# KiCad board nvme Carrier all M2.kicad_pcb (continued)
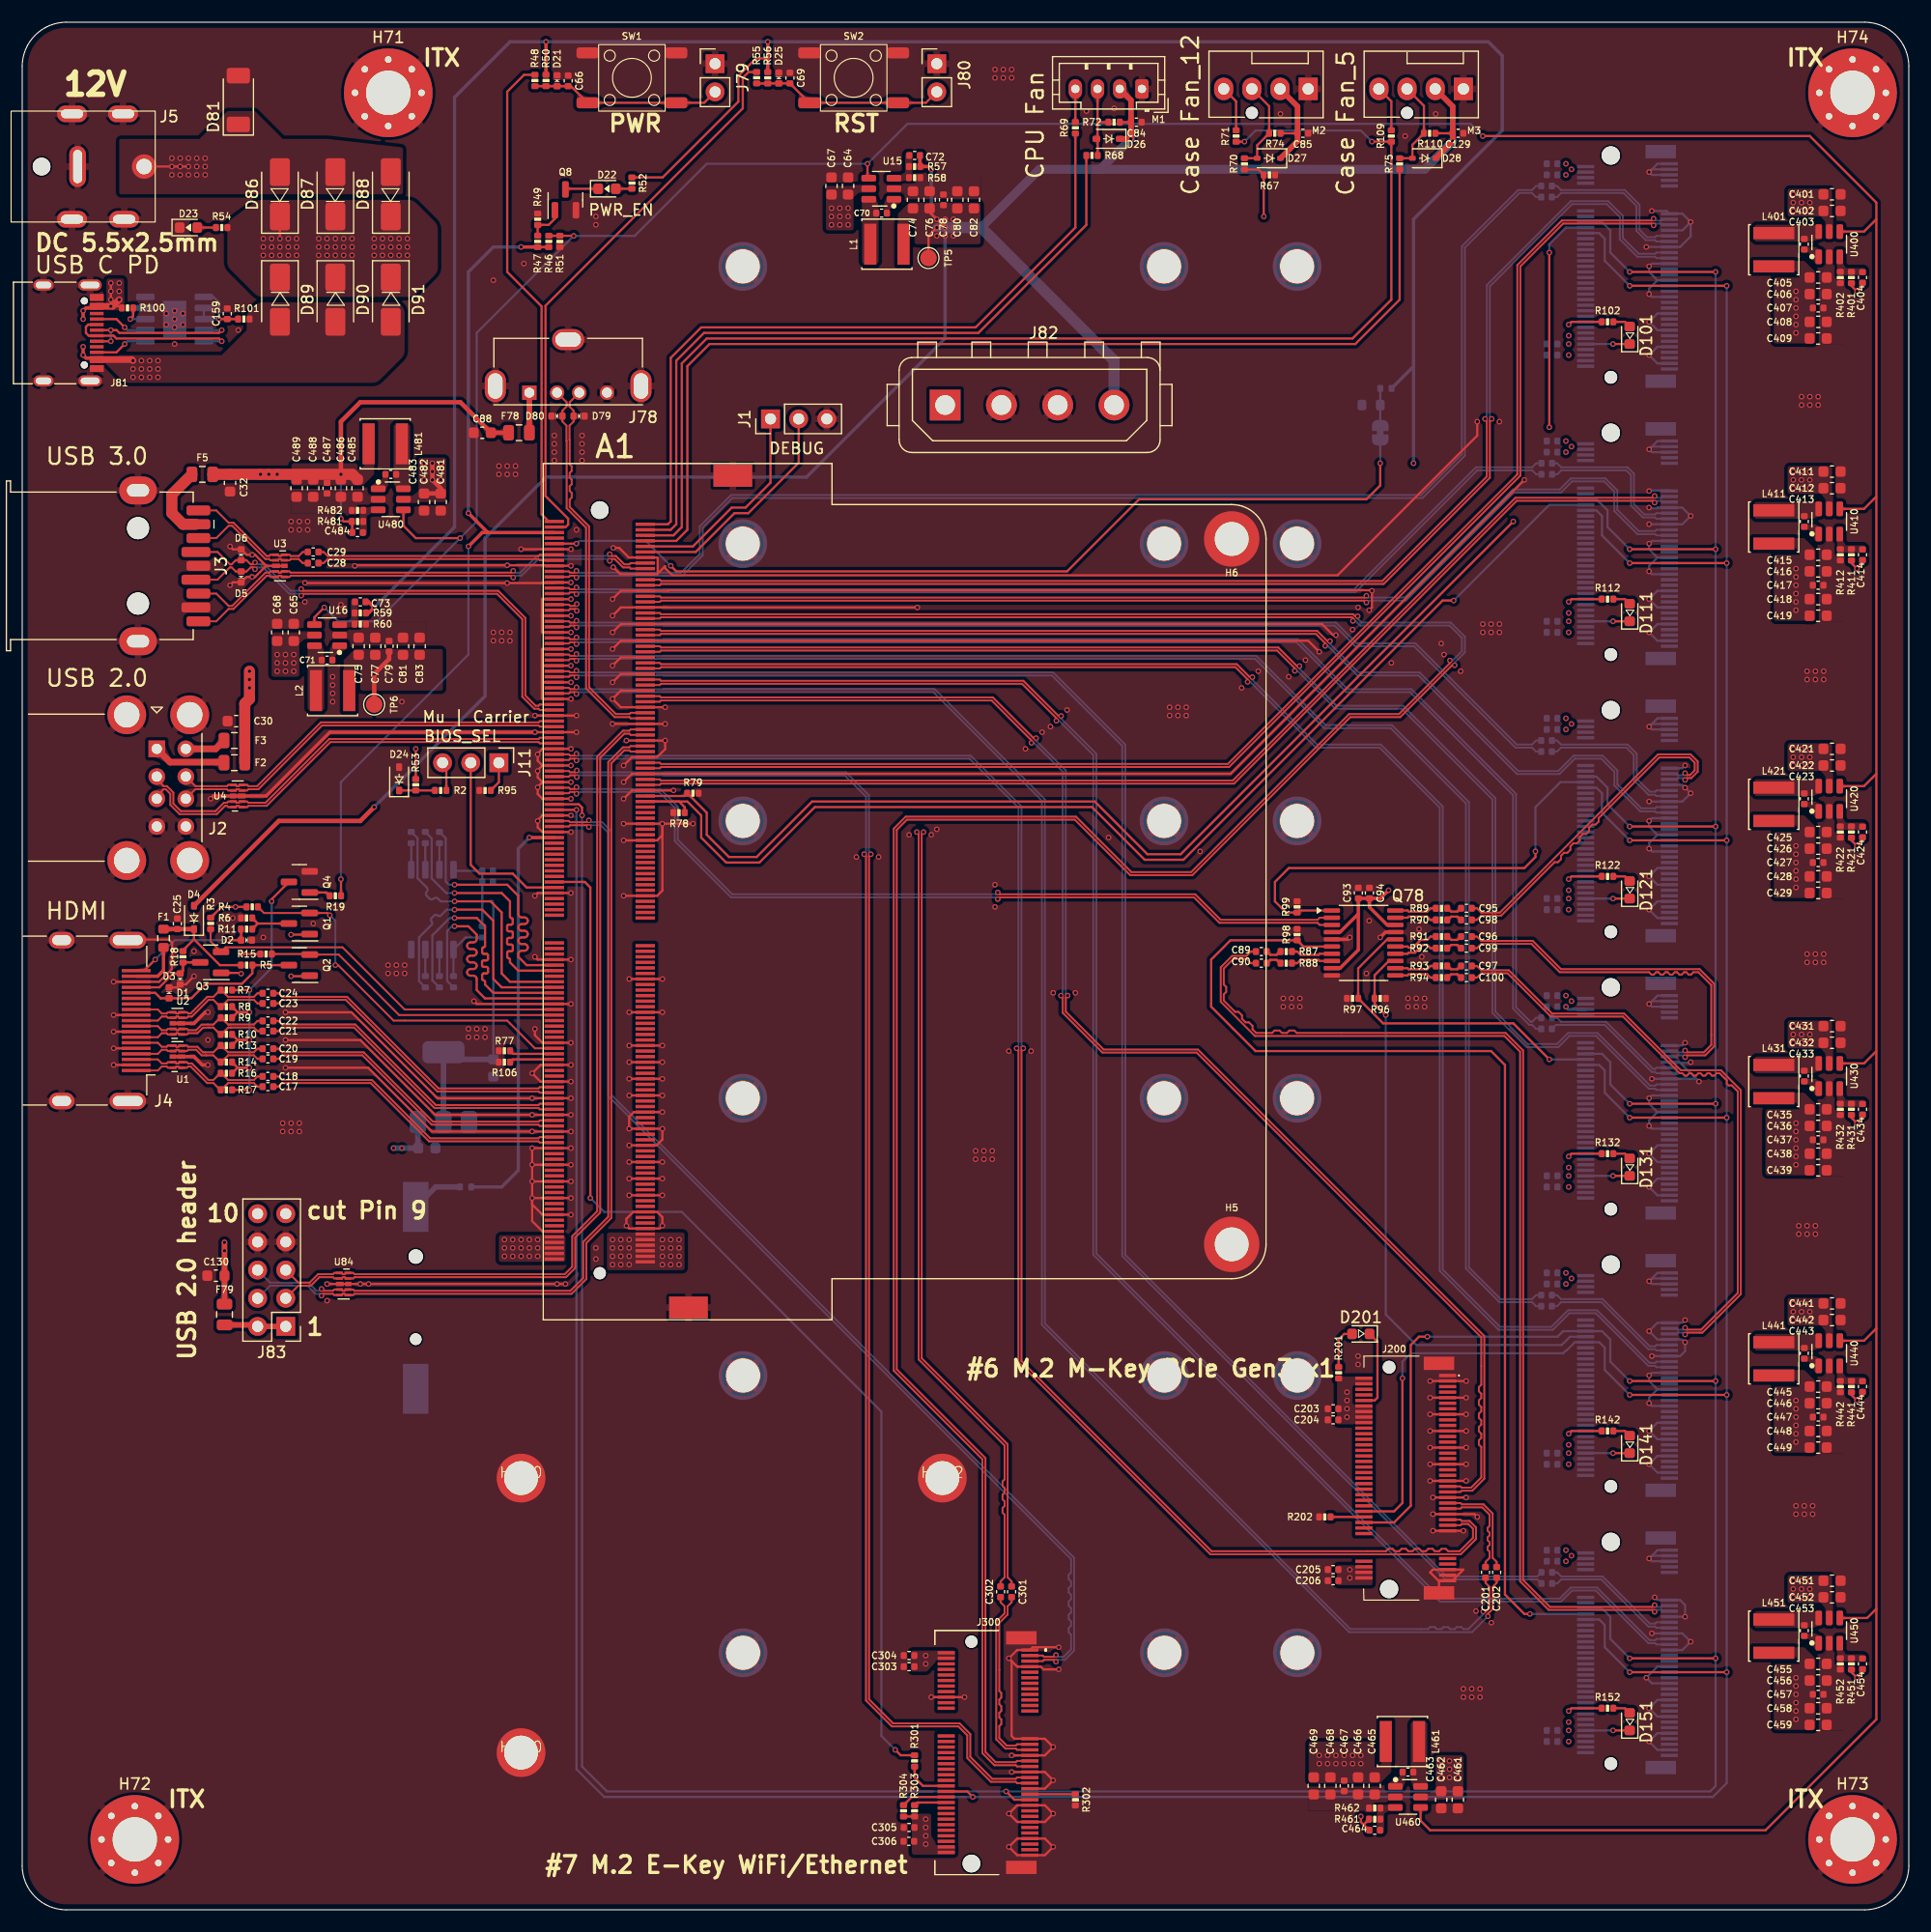
[diagram p0: board, top side]
## Routing (per net, layer and track width the routed paths; a pad name or vN(x,y) marks a point on that pad's centre or on a via; arc(x,y) is an arc through that point) (continued)
  In2.PWR w1: M2.2 113.46,166.47 111.5,168.43 71.25,168.43 60,157.18
  In2.PWR w3: J82.1 83.25,139.93 90,146.68 90,156.18 86.75,159.43 62.25,159.43 60,157.18 v1(14.25,157.18)
  vias: v1(13.5,157.93) v1(13.5,157.18) v1(13.5,156.43) v1(14.25,157.93) v1(14.25,156.43) v1(15,157.93) v1(15,156.43) v1(15.75,157.93) v1(15.75,157.18) v1(15.75,156.43) v1(16.5,157.93) v1(16.5,157.18) v1(16.5,156.43)
+15V: length 14.3
  Top w0.2: v1(8,144.58) v1(8,145.18) v1(8,146.68) ; v1(8,144.58) J81.A4 ; v1(8,144.58) 8.84,144.58 R100.2
  Top w0.3: v1(5.5,140.93) v1(5.5,140.18) 5.77,139.91 6.59,139.91 J81.A9 ; v1(5.5,143.43) v1(5.5,144.18) 5.75,144.43 6.57,144.43 J81.A4
  Top w0.6: J81.A4 8.15,144.58 v1(8.75,145.18) ; J81.A9 9.9,139.78 v1(10,139.68)
  vias: v1(8,145.93) v1(8.75,146.68) v1(8.75,145.93) v1(10,138.93) v1(10,138.18) v1(10.75,139.68) v1(10.75,138.93) v1(10.75,138.18) v1(11.5,139.68) v1(11.5,138.93) v1(11.5,138.18) v1(12.25,139.68) v1(12.25,138.93) v1(12.25,138.18)
GND: length 1150.3
  Top w0.2: v1(8.25,76.18) J4.2 ; J300.51 92.25,10.93 v1(93,11.68) 92.25,12.43 J300.45 v1(89.25,12.43) ; v1(54.75,73.43) A1.200 v1(57.75,73.43) ; 46.93,110.68 A1.59 v1(49.5,110.68) ; 46.93,110.68 46.87,110.73 46.87,112.13 46.93,112.18 ; 46.93,110.68 46.87,110.63 46.87,109.23 46.93,109.18 A1.65 v1(49.5,109.18) ; v1(8.25,79.18) J4.8 ; v1(58,106.93) A1.74 v1(53.25,106.93) ; v1(50,107.68) A1.71 v1(46.25,107.68) ; v1(57.75,77.93) A1.182 v1(54.75,77.93) ; A1.50 54,112.93 v1(53.25,112.18) ; v1(46,64.18) A1.237 v1(49.5,64.18) ; v1(46,64.18) 46,62.1 46.93,61.18 A1.249 ; v1(46,64.18) v1(46,68.68) A1.219 v1(49.5,68.68) ; v1(46,64.18) 46,63.6 46.93,62.68 A1.243 v1(49.5,62.68) ; v1(54.25,100.18) 55,100.93 56.25,100.93 A1.98 v1(58.75,100.93) ; v1(130.25,44.68) J200.15 v1(127,44.68) ; v1(57.75,67.43) A1.224 v1(54.75,67.43) ; v1(89,22.68) 89.25,22.43 89.25,15.68 89.5,15.43 J300.33 92.25,15.43 v1(93,14.68) 92.25,13.93 J300.39 v1(89.25,13.93) ; v1(89,22.68) 89.75,21.93 J300.7 91.88,21.93 92.12,21.68 v1(93.5,21.68) ; v1(89,22.68) 89.75,23.43 J300.1 91.15,23.68 v1(93.5,23.68) ; v1(54.75,64.43) A1.236 v1(57.75,64.43) ; 22.01,121.18 U3.3 U3.8 ; 22.01,121.18 21.01,120.18 v1(20.75,120.18) 20.23,120.18 D5.1 19.01,119.69 v1(18.75,119.43) ; 22.01,121.18 21.01,122.18 v1(20.75,122.18) 20.23,122.18 D6.1 19.01,122.66 v1(18.75,122.93) ; v1(46,65.68) A1.231 v1(49.5,65.68) ; v1(54.25,91.43) A1.136 57.27,91.43 57.75,91.9 v1(57.75,97.93) ; v1(130.25,41.68) J200.27 v1(127,41.68) ; A1.32 54,117.43 v1(53.25,116.68) ; A1.32 v1(80.75,117.43) ; A1.32 58.25,117.43 ; v1(49.5,118.18) A1.29 46.93,118.18 46.87,118.13 46.87,116.73 46.93,116.68 ; v1(57.75,97.93) A1.110 v1(54.25,97.93) ; v1(57.75,97.93) v1(60.5,97.93) ; v1(57.75,97.93) 57.75,96.9 57.27,96.43 A1.116 v1(54.25,96.43) ; v1(53.25,110.68) 54,111.43 A1.56 ; v1(49.5,104.68) A1.83 46.93,104.68 46.5,104.25 46.5,103.6 46.93,103.18 ; 46.93,112.18 A1.53 v1(49.5,112.18) ; 46.93,112.18 46.87,112.23 46.87,113.63 46.93,113.68 A1.47 v1(49.5,113.68) ; 46.93,101.68 46.5,101.25 46.5,100.6 46.93,100.18 A1.101 v1(49.5,100.18) ; 46.93,101.68 46.5,102.1 46.5,102.75 46.93,103.18 ; 46.93,101.68 A1.95 v1(49.5,101.68) ; v1(54.25,101.68) 55,102.43 A1.92 109,102.43 v1(135.5,128.93) ; v1(53.25,115.18) 54,115.93 A1.38 117.25,115.93 118.25,114.93 ; v1(57.75,65.93) A1.230 v1(54.75,65.93) ; v1(57.75,76.43) A1.188 v1(54.75,76.43) ; v1(49.5,121.18) A1.17 47.95,121.23 v1(43.75,121.23) 30.05,121.23 v1(30,121.18) ; v1(49.5,70.18) A1.213 v1(46,70.18) 36.96,70.18 31.21,75.93 v1(23.75,75.93) ; v1(130,34.18) J200.57 v1(127.25,34.18) ; v1(57.75,71.93) A1.206 55.18,71.93 54.75,71.5 v1(54.75,70.43) A1.212 v1(57.75,70.43) 57.75,69.45 57.23,68.93 A1.218 v1(54.75,68.93) ; v1(127,38.68) J200.39 v1(130.25,38.68) ; v1(127.25,35.68) J200.51 131,35.68 v1(131.25,35.43) ; v1(127,47.68) J200.3 v1(130.25,47.68) ; v1(54.5,105.43) A1.80 v1(58,105.43) 58,104.65 57.27,103.93 A1.86 55,103.93 v1(54.25,103.18) ; J4.SH 9.57,87.48 13.24,87.48 13.52,87.19 13.52,85.95 13.5,85.93 v1(13.5,85.43) 13.5,84.82 12.35,83.68 J4.17 v1(8.25,83.68) ; v1(127,46.18) J200.9 v1(130.25,46.18) ; 116.96,113.46 116,114.43 A1.44 54,114.43 v1(53.25,113.68) ; v1(8.25,80.68) J4.11 ; 57.27,120.43 A1.20 53.95,120.43 v1(53.32,121.06) ; 57.27,120.43 58,121.15 58,120.97 58.64,120.33 118.65,120.33 131.25,132.93 v1(131.25,134.18) ; 57.27,120.43 57.32,120.48 57.32,121.88 57.27,121.93 A1.14 54.72,121.93 53.85,122.79 v1(53.32,122.79) ; v1(27.5,56.43) v1(31.25,56.43) v1(49,56.43) ; 46.93,116.68 46.87,116.63 46.87,115.23 46.93,115.18 A1.41 v1(49.5,115.18) ; 46.93,116.68 A1.35 v1(49.5,116.68) ; v1(49.5,74.68) A1.195 46.75,74.68 v1(46,75.43) 46.75,76.18 A1.189 v1(49.5,76.18) ; 46.93,103.18 A1.89 v1(49.5,103.18) ; v1(49.5,119.68) A1.23 47.95,119.62 v1(43.75,119.62) 25.53,119.62 v1(25.51,119.64) ; v1(57.75,80.93) A1.170 v1(54.75,80.93) ; v1(54.75,74.93) A1.194 v1(57.75,74.93) ; v1(85,19.18) J300.18 v1(82,19.18) ; J200.MP2 127.8,29.63 127,30.43 127.25,30.68 J200.71 130,30.68 129,29.68 J200.75 ; v1(46,67.18) A1.225 v1(49.5,67.18) ; v1(49.5,97.18) A1.113 46.93,97.18 46.5,97.6 46.5,98.25 46.93,98.68 A1.107 v1(49.5,98.68) ; v1(57.75,83.93) A1.158 v1(54.75,83.93) ; v1(46.25,79.43) 46.25,78.85 46.93,78.18 A1.181 v1(49.5,78.18) ; v1(46.25,106.18) A1.77 v1(50,106.18) ; v1(130.25,40.18) J200.33 v1(127,40.18) ; A1.62 54,109.93 v1(53.25,109.18) 54,108.43 A1.68 v1(58,108.43) ; v1(23.75,80.93) 29.71,80.93 37.46,73.18 v1(46,73.18) A1.201 v1(49.5,73.18) ; v1(49.5,85.68) A1.151 46.5,85.68 v1(46.25,85.93) ; v1(127,43.18) J200.21 v1(130.25,43.18) ; v1(49.5,122.68) A1.11 v1(45,122.68) ; v1(130.25,37.18) v1(127.25,37.18) ; D1.1 13.97,83.16 D3.1 14.76,83.44 v1(15.5,84.18) ; v1(49.5,91.68) A1.135 46.5,91.68 v1(46.25,91.43) ; v1(40.75,81.93) 41,81.68 A1.167 v1(49.5,81.68) ; v1(53.25,118.18) 54,118.93 A1.26 58.25,118.93 58.3,118.98 121.7,118.98 v1(121.75,118.93) 121.75,117.43 v1(121.5,117.18) ; v1(8.25,77.68) J4.5 ; v1(23.75,78.43) 30.5,78.43 37.25,71.68 v1(46,71.68) A1.207 v1(49.5,71.68) ; J300.63 89.75,7.93 v1(89,8.68) 89.75,9.43 J300.57 92.25,9.43 v1(93,8.68) 92.25,7.93 J300.63 ; v1(54.5,61.68) 54.75,61.43 A1.248 57.5,61.43 v1(57.75,61.68) 57.75,62.45 57.27,62.93 A1.242 55.12,62.93 54.5,62.3 v1(54.5,61.68) ; 89.75,4.93 v1(89,5.68) 89.75,6.43 J300.69 92.25,6.43 v1(93,5.68) 92.25,4.93 J300.75 89.75,4.93
  Top w0.3: Q78.17 122.97,88.15 v1(122.5,87.68) ; U2.8 15.5,79.93 16.5,80.93 v1(16.75,80.93) ; Q78.5 119.57,87.5 v1(119.75,87.68) ; v1(17,100.18) 17.25,100.43 U4.3 22.01,100.43 27.76,106.18 v1(46.25,106.18) ; U1.8 15.5,76.93 16.25,76.18 v1(16.75,76.18)
  Bottom w0.2: J100.9 147.5,140.93 v1(146.75,140.18) 147.5,139.43 J100.3 ; J140.9 147.5,40.93 v1(146.75,40.18) 147.5,39.43 J140.3 ; v1(146.75,99.93) J120.45 149.75,99.93 v1(150.5,100.68) 149.75,101.43 J120.51 ; 147.5,96.93 J120.33 147.5,96.93 ; 147.5,96.93 146.75,96.18 v1(146.75,95.68) 147,95.43 J120.27 ; 147.5,96.93 146.75,97.68 v1(146.75,98.18) 147,98.43 J120.39 ; J110.21 147.5,118.93 v1(146.75,118.18) 147.5,117.43 J110.15 ; v1(147,74.93) J130.45 151,74.93 v1(151.25,74.68) 149.5,76.43 J130.51 148.63,76.37 150.45,76.37 v1(150.5,76.43) ; v1(150.5,152.18) 150.5,150.88 149.55,149.93 J100.45 v1(146.5,149.93) ; v1(150.5,152.18) 149.75,152.93 J100.57 148.32,153.18 v1(147,153.18) ; v1(150.5,152.18) 149.75,151.43 J100.51 ; 147.5,46.93 146.75,46.18 v1(146.75,45.68) 147,45.43 J140.27 ; 147.5,46.93 146.75,47.68 v1(146.75,48.18) 147,48.43 J140.39 ; 147.5,46.93 J140.33 147.5,46.93 ; v1(146.75,81.68) 147,81.43 J130.71 ; v1(146.75,81.68) 147.5,82.43 J130.75 ; v1(146.75,81.68) 147,81.93 J130.73 ; J140.15 147.5,42.43 v1(146.75,43.18) 147.5,43.93 J140.21 ; v1(146.75,126.43) 146.8,126.37 147.46,126.37 147.51,126.43 J110.51 149.75,126.43 v1(150.5,125.68) 149.75,124.93 J110.45 v1(146.75,124.93) ; 147.5,146.93 146.75,147.68 v1(146.75,148.18) 147,148.43 J100.39 ; 147.5,146.93 J100.33 147.5,146.93 ; 147.5,146.93 146.75,146.18 v1(146.75,145.68) 147,145.43 J100.27 ; J150.21 147.5,18.93 v1(146.75,18.18) 147.5,17.43 J150.15 ; J140.75 147.5,57.43 v1(146.75,56.68) ; 147.5,71.93 J130.33 147.5,71.93 ; 147.5,71.93 146.75,72.68 v1(146.75,73.18) 147,73.43 J130.39 ; 147.5,71.93 146.75,71.18 v1(146.75,70.68) 147,70.43 J130.27 ; v1(146.75,131.68) 147.5,132.43 J110.75 ; v1(146.75,131.68) 147,131.93 J110.73 ; v1(146.75,131.68) 147,131.43 J110.71 ; J130.3 147.5,64.43 v1(146.75,65.18) 147.5,65.93 J130.9 ; v1(146.75,106.68) 147.5,107.43 J120.75 ; v1(146.75,106.68) 147,106.43 J120.71 ; v1(146.75,106.68) 147,106.93 J120.73 ; 147.5,121.93 J110.33 147.5,121.93 ; 147.5,121.93 146.75,122.68 v1(146.75,123.18) 147,123.43 J110.39 ; 147.5,121.93 146.75,121.18 v1(146.75,120.68) 147,120.43 J110.27 ; J150.73 147,31.93 v1(146.75,31.68) ; J120.3 147.5,89.43 v1(146.75,90.18) 147.5,90.93 J120.9 ; J130.15 147.5,67.43 v1(146.75,68.18) 147.5,68.93 J130.21 ; J150.75 147.5,32.43 v1(146.75,31.68) ; J150.9 147.5,15.93 v1(146.75,15.18) 147.5,14.43 J150.3 ; v1(146.75,56.68) 147,56.43 J140.71 ; v1(146.75,56.68) 147,56.93 J140.73 ; v1(146.75,156.68) 147,156.43 J100.71 ; v1(146.75,156.68) 147,156.93 J100.73 ; v1(146.75,156.68) 147.5,157.43 J100.75 ; J100.21 147.5,143.93 v1(146.75,143.18) 147.5,142.43 J100.15 ; v1(146.75,31.68) 147,31.43 J150.71 ; v1(147,49.93) J140.45 149.55,49.93 150,50.38 v1(150,51.18) 149.75,51.43 J140.51 147.5,51.43 v1(146.75,52.18) 147.5,52.93 J140.57 149.75,52.93 v1(150,53.18) ; J120.57 149.75,102.93 v1(150,103.18) ; J110.57 148.52,127.98 146.8,127.98 v1(146.75,127.93) ; J150.27 147,20.43 v1(146.5,20.93) 147.5,21.93 J150.33 ; v1(147,24.93) J150.45 149.75,24.93 v1(150.5,24.18) 149.75,23.43 J150.39 ; J120.15 147.5,92.43 v1(146.75,93.18) 147.5,93.93 J120.21 ; v1(147.25,28.18) 147.5,27.93 J150.57 149.55,27.93 150,27.48 v1(150,26.43) J150.51 ; J130.57 149.75,77.93 v1(150,78.18) ; J110.3 147.5,114.43 v1(146.75,115.18) 147.5,115.93 J110.9
  vias: v1(13,143.93) v1(13,142.93) v1(13.75,144.18) v1(13.75,143.43) v1(13.75,142.68) v1(13.75,141.18) v1(14.5,143.93) v1(14.5,142.93) v1(15.5,86.43) v1(16.75,78.43) v1(19,89.43) v1(19.5,142.43) v1(21.75,87.68) v1(23.5,70.93) v1(23.5,70.18) v1(24.25,125.18) v1(24.25,124.43) v1(24.25,70.93) v1(24.25,70.18) v1(25,125.18) v1(25,124.43) v1(25,70.93) v1(25,70.18) v1(25.5,117.93) v1(25.75,125.18) v1(25.75,124.43) v1(26.25,88.93) v1(27.5,54.93) v1(28,111.18) v1(28,110.43) v1(28,109.68) v1(28,108.93) v1(28.75,117.68) v1(30.5,56.43) v1(33,85.18) v1(33,84.43) v1(33.75,85.18) v1(33.75,84.43) v1(34.25,108.93) v1(34.5,85.18) v1(34.5,84.43) v1(40.25,79.43) v1(40.25,78.68) v1(41,79.43) v1(41,78.68) v1(41.75,79.43) v1(41.75,78.68) v1(42.5,146.93) v1(42.5,115.18) v1(42.5,114.43) v1(43,130.18) v1(43,129.43) v1(43.25,115.18) v1(43.25,114.43) v1(43.75,130.18) v1(43.75,129.43) v1(44,115.18) v1(44,114.43) v1(44.5,130.18) v1(44.5,129.43) v1(45.25,148.43) v1(46.5,104.18) v1(46.5,102.68) v1(46.5,101.21) v1(46.5,98.18) v1(48,132.93) v1(48,132.18) v1(48,131.43) v1(48,130.68) v1(48.25,56.43) v1(50,124.43) v1(50.5,132.93) v1(50.5,132.18) v1(50.5,131.43) v1(50.5,130.68) v1(51.75,152.68) v1(51.75,151.93) v1(51.75,59.68) v1(51.75,58.68) v1(75.25,94.93) v1(77.25,94.93) v1(80,96.93) v1(82,96.93) v1(82.5,97.43) v1(86,68.43) v1(86,67.68) v1(86.75,68.43) v1(86.75,67.68) v1(87.5,68.43) v1(87.5,67.68) v1(87.75,165.93) v1(87.75,165.18) v1(87.75,92.43) v1(87.75,90.43) v1(88.5,165.93) v1(88.5,165.18) v1(89,77.43) v1(89.25,165.93) v1(89.25,165.18) v1(90.5,104.68) v1(91,77.43) v1(92,106.18) v1(92.75,106.68) v1(93,82.68) v1(94.25,108.18) v1(95,82.68) v1(96,162.18) v1(98,96.68) v1(98.5,162.43) v1(103.5,108.43) v1(103.5,107.68) v1(104.25,108.43) v1(104.25,107.68) v1(105,108.43) v1(105,107.68) v1(106.25,95.43) v1(110,110.18) v1(111.5,111.68) v1(113.5,161.93) v1(113.75,82.18) v1(113.75,81.43) v1(114.25,111.18) v1(114.5,82.18) v1(114.5,81.43) v1(115.25,82.18) v1(115.25,81.43) v1(115.75,112.68) v1(117,113.43) v1(118.5,114.93) v1(120,115.43) v1(120.5,117.43) v1(120.5,49.93) v1(120.5,49.18) v1(121.25,84.43) v1(121.5,89.18) v1(123.5,112.43) v1(124.75,159.93) v1(125,82.18) v1(125,81.43) v1(125.75,82.18) v1(125.75,81.43) v1(126,88.43) v1(126.25,85.93) v1(126.5,82.18) v1(126.5,81.43) v1(127.5,161.93) v1(128,114.18) v1(128.25,113.18) v1(129.75,111.68) v1(130,19.93) v1(130,19.18) v1(130.75,19.93) v1(130.75,19.18) v1(131.14,26.93) v1(131.5,19.93) v1(131.5,19.18) v1(131.75,115.93) v1(131.75,115.18) v1(132.5,115.93) v1(132.5,115.18) v1(132.52,25.89) v1(133.25,134.18) v1(133.25,115.93) v1(133.25,115.18) v1(150,101.18) v1(160,36.43) v1(160,35.68) v1(160.25,61.68) v1(160.25,60.93) v1(160.5,136.43) v1(160.5,135.68) v1(160.75,36.43) v1(160.75,35.68) v1(161,111.68) v1(161,110.93) v1(161,86.18) v1(161,85.43) v1(161,61.68) v1(161,60.93) v1(161.25,136.43) v1(161.25,135.68) v1(161.5,36.43) v1(161.5,35.68) v1(161.75,111.68) v1(161.75,110.93) v1(161.75,86.18) v1(161.75,85.43) v1(161.75,61.68) v1(161.75,60.93) v1(162,136.43) v1(162,135.68) v1(162.5,111.68) v1(162.5,110.93) v1(162.5,86.18) v1(162.5,85.43)
+BATT: length 37.5
  Top w0.3: v1(45.75,96.68) A1.115
  Bottom w0.3: R1.1 43.25,65.18 44.75,66.68 44.75,95.68 v1(45.75,96.68)
/BIOS/SPI-CS: length 24.4
  Top w0.2: A1.165 41.75,82.18 41,82.93 41,83.93 arc(40.91,84.14) 40.7,84.23 40.43,84.23 arc(40.22,84.31) 40.13,84.53 arc(40.22,84.74) 40.43,84.83 40.7,84.83 arc(40.91,84.91) 41,85.13 arc(40.91,85.34) 40.7,85.43 40.43,85.43 arc(40.22,85.51) 40.13,85.73 arc(40.22,85.94) 40.43,86.03 40.7,86.03 arc(40.91,86.11) 41,86.33 arc(40.91,86.54) 40.7,86.63 40.43,86.63 arc(40.22,86.71) 40.13,86.93 arc(40.22,87.14) 40.43,87.23 40.7,87.23 arc(40.91,87.31) 41,87.53 41,87.93 40.25,88.68 v1(39,88.68)
  Bottom w0.2: v1(39,88.68) 38.75,88.68 38.34,88.26 38.34,83.74 R81.1
/BIOS/SPI-IO0: length 24.4
  Top w0.2: v1(39,90.93) 42.25,90.93 43.25,89.93 43.25,84.43 44,83.68 A1.159
  Bottom w0.2: R83.1 35.66,96.62 35.66,93.01 36.5,92.18 arc(36.58,91.99) 36.5,91.8 arc(36.42,91.61) 36.5,91.42 36.74,91.18 arc(36.93,91.1) 37.12,91.18 arc(37.31,91.25) 37.5,91.18 37.75,90.93 v1(39,90.93)
/BIOS/SPI-IO1: length 24.4
  Top w0.2: v1(39,89.43) 41,89.43 41.75,88.68 41.75,86.92 arc(41.71,86.82) 41.62,86.79 arc(41.53,86.75) 41.49,86.66 41.49,86.33 arc(41.53,86.23) 41.62,86.2 41.88,86.2 arc(41.98,86.16) 42.02,86.06 42.02,85.74 arc(41.98,85.64) 41.88,85.61 41.62,85.61 arc(41.52,85.57) 41.48,85.47 41.48,85.15 arc(41.52,85.05) 41.62,85.02 41.88,85.02 arc(41.98,84.98) 42.02,84.88 42.02,84.56 arc(41.98,84.46) 41.88,84.43 41.62,84.43 arc(41.53,84.39) 41.49,84.3 41.49,83.93 arc(41.53,83.84) 41.62,83.81 arc(41.71,83.77) 41.75,83.68 41.75,83.43 42.5,82.68 A1.163
  Bottom w0.2: v1(39,89.43) 38.56,89.43 37,87.87 37,83.8 R84.1
/BIOS/SPI-IO2: length 24.4
  Top w0.2: A1.161 43.25,83.18 42.5,83.93 42.5,89.18 41.5,90.18 v1(39,90.18)
  Bottom w0.2: v1(39,90.18) 38.3,90.18 37.77,89.65 arc(37.62,89.59) 37.47,89.65 arc(37.32,89.71) 37.17,89.65 36.93,89.41 arc(36.86,89.26) 36.93,89.11 arc(36.99,88.96) 36.93,88.8 35.79,87.67 35.79,83.74 R85.1
/BIOS/SPI-IO3: length 24.4
  Top w0.2: v1(39,92.43) 43.75,92.43 44.75,91.43 44.75,89.78 arc(44.84,89.56) 45.05,89.48 45.31,89.48 arc(45.52,89.39) 45.61,89.18 arc(45.52,88.96) 45.31,88.88 45.05,88.88 arc(44.84,88.79) 44.75,88.58 arc(44.84,88.36) 45.05,88.28 45.31,88.28 arc(45.52,88.19) 45.61,87.98 arc(45.52,87.76) 45.31,87.68 45.05,87.68 arc(44.84,87.59) 44.75,87.38 arc(44.84,87.16) 45.05,87.08 45.31,87.08 arc(45.52,86.99) 45.61,86.78 arc(45.52,86.56) 45.31,86.48 45.05,86.48 arc(44.84,86.39) 44.75,86.18 44.75,85.93 45.5,85.18 A1.153
  Bottom w0.2: v1(39,92.43) 38.5,92.43 38.2,92.72 38.2,96.62 R86.1
/BIOS/SPI_CLK: length 24.4
  Top w0.2: v1(39,91.68) 43.25,91.68 44,90.93 44,89.55 arc(44.04,89.46) 44.12,89.43 arc(44.21,89.39) 44.25,89.3 44.25,88.95 arc(44.21,88.86) 44.12,88.83 43.87,88.83 arc(43.78,88.79) 43.74,88.7 43.74,88.35 arc(43.78,88.26) 43.87,88.23 44.13,88.23 arc(44.22,88.19) 44.26,88.1 44.26,87.75 arc(44.22,87.66) 44.13,87.63 43.87,87.63 arc(43.78,87.59) 43.74,87.5 43.74,87.15 arc(43.78,87.06) 43.87,87.03 44.13,87.03 arc(44.22,86.99) 44.26,86.9 44.26,86.55 arc(44.22,86.46) 44.13,86.43 43.88,86.43 arc(43.79,86.39) 43.75,86.3 43.75,85.92 arc(43.79,85.84) 43.88,85.8 arc(43.96,85.76) 44,85.68 44,85.43 44.75,84.68 A1.155
  Bottom w0.2: v1(39,91.68) 38.25,91.68 36.93,92.99 36.93,96.62 R82.1
/Fan_Temp/FAN_1_PWM: length 67
  Top w0.2: R69.1 95,151.68 86,142.68 61.25,142.68 58.5,139.93 58.5,125.18 58.25,124.93 A1.2
/Fan_Temp/FAN_1_TAC: length 66.1
  Top w0.2: A1.4 58.5,124.43 59,124.93 59,139.68 61.5,142.18 86.25,142.18 95.99,151.92 R68.2
/Fan_Temp/FAN_2_PWM: length 113.8
  Top w0.2: R71.1 110.24,159.42 v1(110.25,159.43) ; A1.6 58.75,123.93 59.5,124.68 59.5,139.43 61.75,141.68 120,141.68 123.5,145.18 R109.1 123.49,159.43 v1(121.75,159.43)
  Bottom w0.2: v1(121.75,159.43) 120.75,160.43 111.25,160.43 v1(110.25,159.43)
/Fan_Temp/FAN_2_TAC: length 97.4
  Top w0.2: R75.1 124.25,145.18 120.25,141.18 62,141.18 60,139.18 60,124.43 59,123.43 A1.8
/Fan_Temp/TEMP: length 83.4
  Top w0.2: v1(122.5,130.43) 122.5,128.43 121.25,127.18 100.75,127.18 94.25,120.68 59,120.68 v1(58.5,121.18) ; A1.9 v1(50,123.18)
  Bottom w0.2: v1(58.5,121.18) 56.25,123.43 50.25,123.43 v1(50,123.18) ; JP2.1 122.5,132.68 v1(122.5,130.43)
/HDMI DP/DDC_SCL: length 15.7
  Top w0.2: Q2.3 R15.2 20.76,84.44 19.83,83.5 16.58,83.5 15.26,82.19 D1.2 12.51,82.19 12.5,82.18 12,82.68 J4.15
/HDMI DP/DDC_SDA: length 7.2
  Top w0.2: J4.16 12.38,83.18 13.61,84.41 D3.2 14.51,84.67 14.51,85.43 Q3.3
/HDMI DP/DDI_B_DDC_SCL: length 27.8
  Top w0.171: R5.2 25.89,86.18 Q2.2 28.55,86.13 34,80.68 A1.171
/HDMI DP/DDI_B_DDC_SDA: length 35
  Top w0.171: A1.169 34.5,81.18 28.89,86.78 18.34,86.78 Q3.2 17,87.31 R3.2
/HDMI DP/DDI_B_HPD: length 34.4
  Top w0.171: v1(28.25,85.18) 28.5,85.18 33.5,80.18 43.75,80.18 46.25,77.68 A1.183 ; v1(27.75,89.68) 27.55,89.88 Q1.2 21.81,89.88 R4.2
  Bottom w0.171: v1(27.75,89.68) 28.25,89.18 v1(28.25,85.18)
/HDMI DP/DDI_B_TX0+: length 27.7
  Top w0.171: A1.217 46.69,69.18 46.57,69.29 36.69,69.29 31.44,74.54 23.44,74.54 23.12,74.22 C17.1
/HDMI DP/DDI_B_TX0-: length 27.7
  Top w0.171: C18.1 23.12,75.14 23.44,74.82 31.55,74.82 36.81,69.56 46.57,69.56 46.69,69.68 A1.215
/HDMI DP/DDI_B_TX1+: length 28.1
  Top w0.171: A1.211 46.69,70.68 46.57,70.79 36.94,70.79 30.69,77.04 23.44,77.04 23.12,76.72 C19.1
/HDMI DP/DDI_B_TX1-: length 28.1
  Top w0.171: C20.1 23.12,77.64 23.44,77.32 30.8,77.32 37.06,71.06 46.57,71.06 46.69,71.18 A1.209
/HDMI DP/DDI_B_TX2+: length 28.5
  Top w0.171: C21.1 23.12,79.23 23.44,79.55 29.93,79.55 37.19,72.29 46.57,72.29 46.69,72.18 A1.205
/HDMI DP/DDI_B_TX2-: length 28.5
  Top w0.171: C22.1 23.12,80.15 23.44,79.82 30.04,79.82 37.31,72.56 46.57,72.56 46.69,72.68 A1.203
/HDMI DP/DDI_B_TX3+: length 29
  Top w0.171: C23.1 23.12,81.72 23.44,82.04 29.19,82.04 37.44,73.79 46.57,73.79 46.69,73.68 A1.199
/HDMI DP/DDI_B_TX3-: length 29
  Top w0.171: C24.1 23.12,82.64 23.44,82.32 29.3,82.32 37.56,74.06 46.57,74.06 46.69,74.18 A1.197
/HDMI DP/HPD: length 11.6
  Top w0.2: R11.2 19.75,88.41 D2.2 v1(18.5,87.43) ; v1(12,85.68) 11,84.68 J4.19
  Bottom w0.2: v1(12,85.68) 13.75,87.43 v1(18.5,87.43)
/HDMI DP/TCP_0_HPD: length 4.1
  Top w0.2: A1.187 44.26,76.68 R106.1
/HDMI DP/TMDS_CK+: length 13
  Top w0.171: J4.10 12.24,80.18 12.6,80.54 13.03,80.54 13.14,80.43 U2.7 13.8,80.43 13.91,80.54 14.09,80.54 14.2,80.43 U2.4 14.86,80.43 14.97,80.54 15.31,80.54 16.81,82.04 17.25,82.04 17.86,81.43 R8.1 17.96,81.43 18.57,82.04 19.89,82.04 19.9,82.04 20.9,82.04 21.22,81.72 C23.2
/HDMI DP/TMDS_CK-: length 13
  Top w0.171: C24.2 21.22,82.64 20.9,82.32 20,82.32 20,82.32 18.57,82.32 17.96,82.93 R7.1 17.86,82.93 17.25,82.32 16.7,82.32 15.19,80.81 14.97,80.81 14.86,80.93 U2.5 14.2,80.93 14.09,80.81 13.91,80.81 13.8,80.93 U2.6 13.14,80.93 13.03,80.81 12.6,80.81 12.24,81.18 J4.12
/HDMI DP/TMDS_D0+: length 12.6
  Top w0.171: J4.7 12.24,78.68 12.6,79.04 13.03,79.04 13.14,78.93 U2.10 13.8,78.93 13.91,79.04 14.09,79.04 14.2,78.93 U2.1 14.86,78.93 14.97,79.04 15.81,79.04 16.31,79.54 16.85,79.54 16.86,79.54 17.25,79.54 17.86,78.93 R10.1 17.96,78.93 18.57,79.54 18.85,79.54 18.86,79.55 20.9,79.55 21.22,79.23 C21.2
/HDMI DP/TMDS_D0-: length 12.6
  Top w0.171: C22.2 21.22,80.15 20.9,79.82 18.76,79.82 18.75,79.82 18.57,79.82 17.96,80.43 R9.1 17.86,80.43 17.25,79.82 16.76,79.82 16.75,79.81 16.19,79.81 15.69,79.31 14.97,79.31 14.86,79.43 U2.2 14.2,79.43 14.09,79.31 13.91,79.31 13.8,79.43 U2.9 13.14,79.43 13.03,79.31 12.6,79.31 12.24,79.68 J4.9
/HDMI DP/TMDS_D1+: length 12.6
  Top w0.171: J4.4 12.24,77.18 12.6,77.54 13.03,77.54 13.14,77.43 U1.7 13.8,77.43 13.91,77.54 14.09,77.54 14.2,77.43 U1.4 14.86,77.43 14.97,77.54 15.69,77.54 16.19,77.04 16.6,77.04 16.61,77.04 17.25,77.04 17.86,76.43 R14.1 17.96,76.43 18.57,77.04 20.9,77.04 21.22,76.72 C19.2
/HDMI DP/TMDS_D1-: length 12.6
  Top w0.171: C20.2 21.22,77.64 20.9,77.32 18.57,77.32 17.96,77.93 R13.1 17.86,77.93 17.25,77.32 16.51,77.32 16.5,77.31 16.31,77.31 15.81,77.81 14.97,77.81 14.86,77.93 U1.5 14.2,77.93 14.09,77.81 13.91,77.81 13.8,77.93 U1.6 13.14,77.93 13.03,77.81 12.6,77.81 12.24,78.18 J4.6
/HDMI DP/TMDS_D2+: length 13
  Top w0.171: C17.2 21.22,74.22 20.9,74.54 18.57,74.54 17.96,73.93 R17.1 17.86,73.93 17.25,74.54 16.69,74.54 15.19,76.04 14.97,76.04 14.86,75.93 U1.1 14.2,75.93 14.09,76.04 13.91,76.04 13.8,75.93 U1.10 13.14,75.93 13.03,76.04 12.6,76.04 12.24,75.68 J4.1
/HDMI DP/TMDS_D2-: length 13
  Top w0.171: C18.2 21.22,75.14 20.9,74.82 18.57,74.82 17.96,75.43 R16.1 17.86,75.43 17.25,74.82 16.8,74.82 15.31,76.31 14.97,76.31 14.86,76.43 U1.2 14.2,76.43 14.09,76.31 13.91,76.31 13.8,76.43 U1.9 13.14,76.43 13.03,76.31 12.6,76.31 12.24,76.68 J4.3
/LattePanda Module/CLKREQ3: length 144.4
  Top w0.2: v1(134.5,125.18) 104.5,95.18 101.5,95.18 96.75,99.93 71.25,99.93 66.25,94.93 63.75,94.93 61.75,96.93 61.75,98.92 R79.1 59.74,100.43 A1.100 ; v1(137.75,149.43) v1(137.75,133.68)
  In1.GND w0.2: v1(137.75,149.43) v1(137.75,133.68) 137.75,128.43 v1(134.5,125.18)
  Bottom w0.2: J100.52 139.25,151.68 137.75,150.18 v1(137.75,149.43)
/LattePanda Module/CLKREQ4: length 109.8
  Top w0.2: R78.1 59.76,99.42 59.25,99.93 A1.102 60,99.93 61.25,98.68 61.25,96.68 63.5,94.43 66.5,94.43 71.5,99.43 96.5,99.43 101.25,94.68 104.75,94.68 128.12,118.05 v1(129.12,118.05)
  Bottom w0.2: J110.52 137.75,126.68 v1(129.12,118.05)
/LattePanda Module/HSIO_0_TX+: length 21.5
  Top w0.171: C29.1 27.2,122.43 27.56,122.06 46.57,122.06 46.69,122.18 A1.13
/LattePanda Module/HSIO_0_TX-: length 21.5
  Top w0.171: C28.1 27.2,121.43 27.56,121.79 46.57,121.79 46.69,121.68 A1.15
/LattePanda Module/HSIO_1_RX+: length 120
  Top w0.171: A1.22 57.51,119.93 57.63,119.81 122.69,119.81 132.11,129.23 132.11,134.26 v1(131.95,134.43)
  Bottom w0.171: v1(131.95,134.43) 132.11,134.59 132.11,146.48 139.69,154.06 143.06,154.06 144.39,152.73 144.39,150.73 145.81,149.31 147.3,149.31 147.41,149.43 J100.43
/LattePanda Module/HSIO_1_RX-: length 120
  Top w0.171: A1.24 57.51,119.43 57.63,119.54 122.81,119.54 132.39,129.12 132.39,134.26 v1(132.55,134.43)
  Bottom w0.171: v1(132.55,134.43) 132.39,134.59 132.39,146.37 139.81,153.79 142.94,153.79 144.11,152.62 144.11,150.62 145.69,149.04 147.3,149.04 147.41,148.93 J100.41
/LattePanda Module/HSIO_1_TX+: length 116.1
  Top w0.171: A1.19 49.31,120.68 49.43,120.56 49.84,120.56 v1(50,120.73)
  Bottom w0.171: C105.1 136.55,155.43 136.19,155.06 134.94,155.06 129.86,149.98 129.86,131.23 126.19,127.56 63.94,127.56 61.11,124.73 61.11,122.23 59.44,120.56 50.16,120.56 v1(50,120.73)
/LattePanda Module/HSIO_1_TX-: length 116.1
  Top w0.171: A1.21 49.31,120.18 49.43,120.29 49.84,120.29 v1(50,120.12)
  Bottom w0.171: C106.1 136.55,154.43 136.19,154.79 135.06,154.79 130.14,149.87 130.14,131.12 126.31,127.29 64.06,127.29 61.39,124.62 61.39,122.12 59.56,120.29 50.16,120.29 v1(50,120.12)
/LattePanda Module/HSIO_2_RX+: length 100.1
  Top w0.171: A1.28 57.51,118.43 57.63,118.31 121.09,118.31 v1(121.25,118.48)
  Bottom w0.171: J110.43 147.41,124.43 147.3,124.31 145.81,124.31 143.89,126.23 143.89,127.98 142.81,129.06 139.69,129.06 138.69,128.06 134.44,128.06 124.69,118.31 121.41,118.31 v1(121.25,118.48)
/LattePanda Module/HSIO_2_RX-: length 100.1
  Top w0.171: v1(121.25,117.87) 121.09,118.04 57.63,118.04 57.51,117.93 A1.30
  Bottom w0.171: v1(121.25,117.87) 121.41,118.04 124.81,118.04 134.56,127.79 138.81,127.79 139.81,128.79 142.69,128.79 143.61,127.87 143.61,126.12 145.69,124.04 147.3,124.04 147.41,123.93 J110.41
/LattePanda Module/HSIO_2_TX+: length 93.9
  Top w0.171: A1.25 49.31,119.18 49.43,119.06 49.84,119.06 v1(50,119.23)
  Bottom w0.171: C115.1 136.57,130.43 136.21,130.06 131.14,130.06 120.14,119.06 50.16,119.06 v1(50,119.23)
/LattePanda Module/HSIO_2_TX-: length 93.9
  Top w0.171: v1(50,118.62) 49.84,118.79 49.43,118.79 49.31,118.68 A1.27
  Bottom w0.171: C116.1 136.57,129.43 136.21,129.79 131.25,129.79 120.25,118.79 50.16,118.79 v1(50,118.62)
/LattePanda Module/HSIO_3_RX+: length 229.4
  Top w0.171: A1.34 57.51,116.93 57.63,116.81 120.06,116.81 120.23,116.64 v1(120.46,116.64) ; v1(129.21,112.21) 128.98,112.21 124.31,107.54 119.81,107.54 105.56,93.29 99.94,93.29 94.94,98.29 79.81,98.29 78.89,97.37 78.89,48.73 86.89,40.73 86.89,14.23 87.81,13.31 89.62,13.31 89.74,13.43 J300.41
  Bottom w0.171: v1(120.46,116.64) 120.46,116.4 120.81,116.06 128.86,116.06 130.14,114.79 130.14,113.37 129.21,112.45 v1(129.21,112.21)
